# KiCad board Leftcopy.kicad_pcb
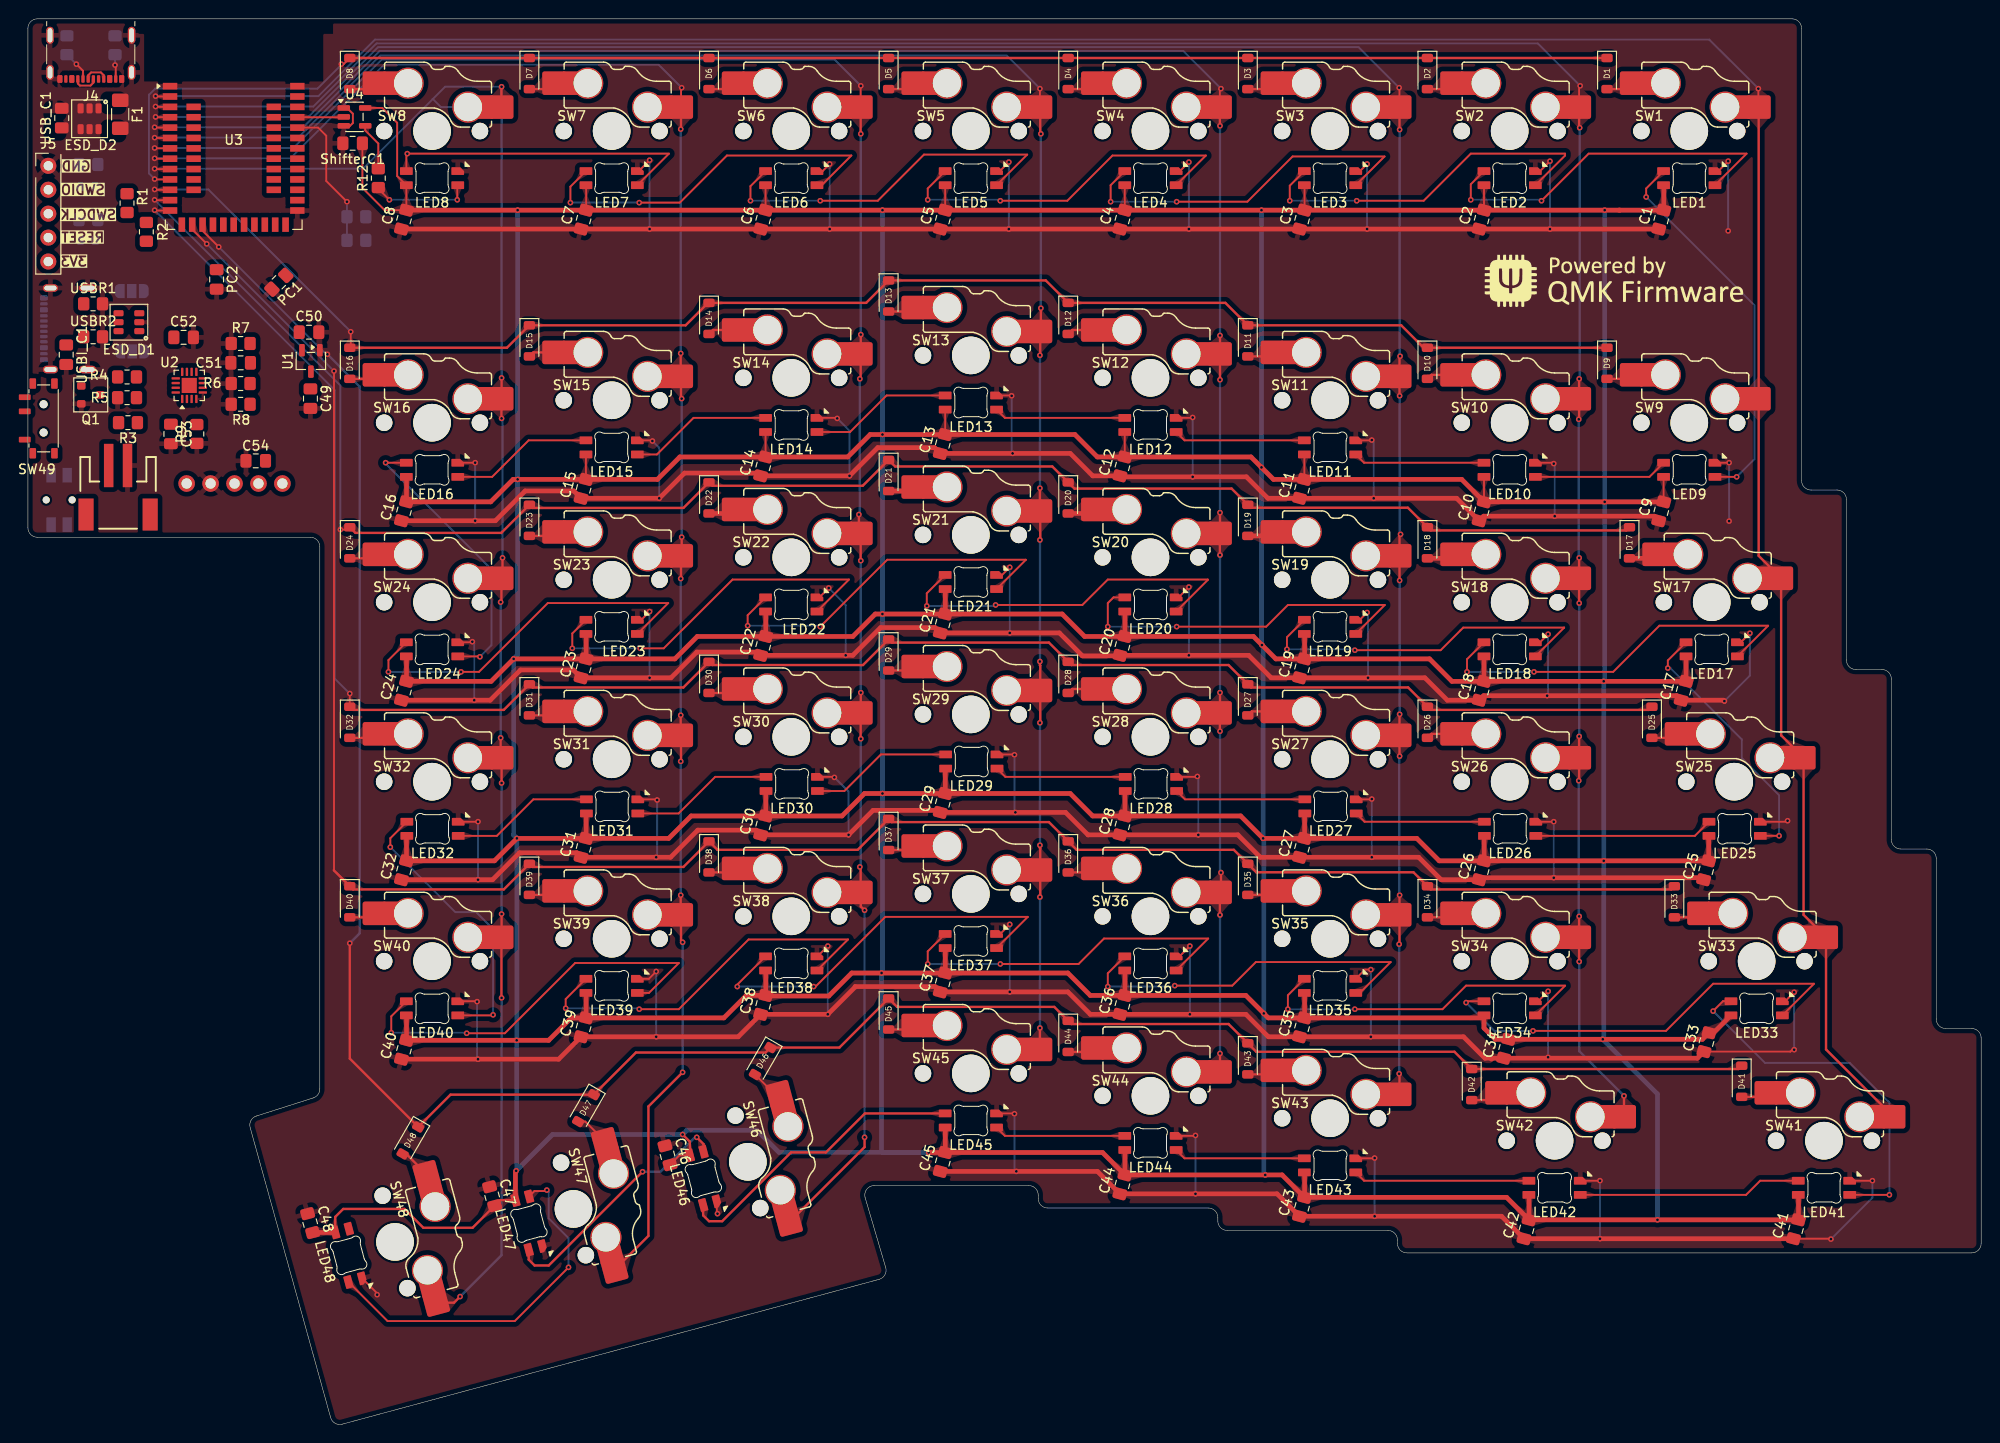
[diagram p0: board, top side]
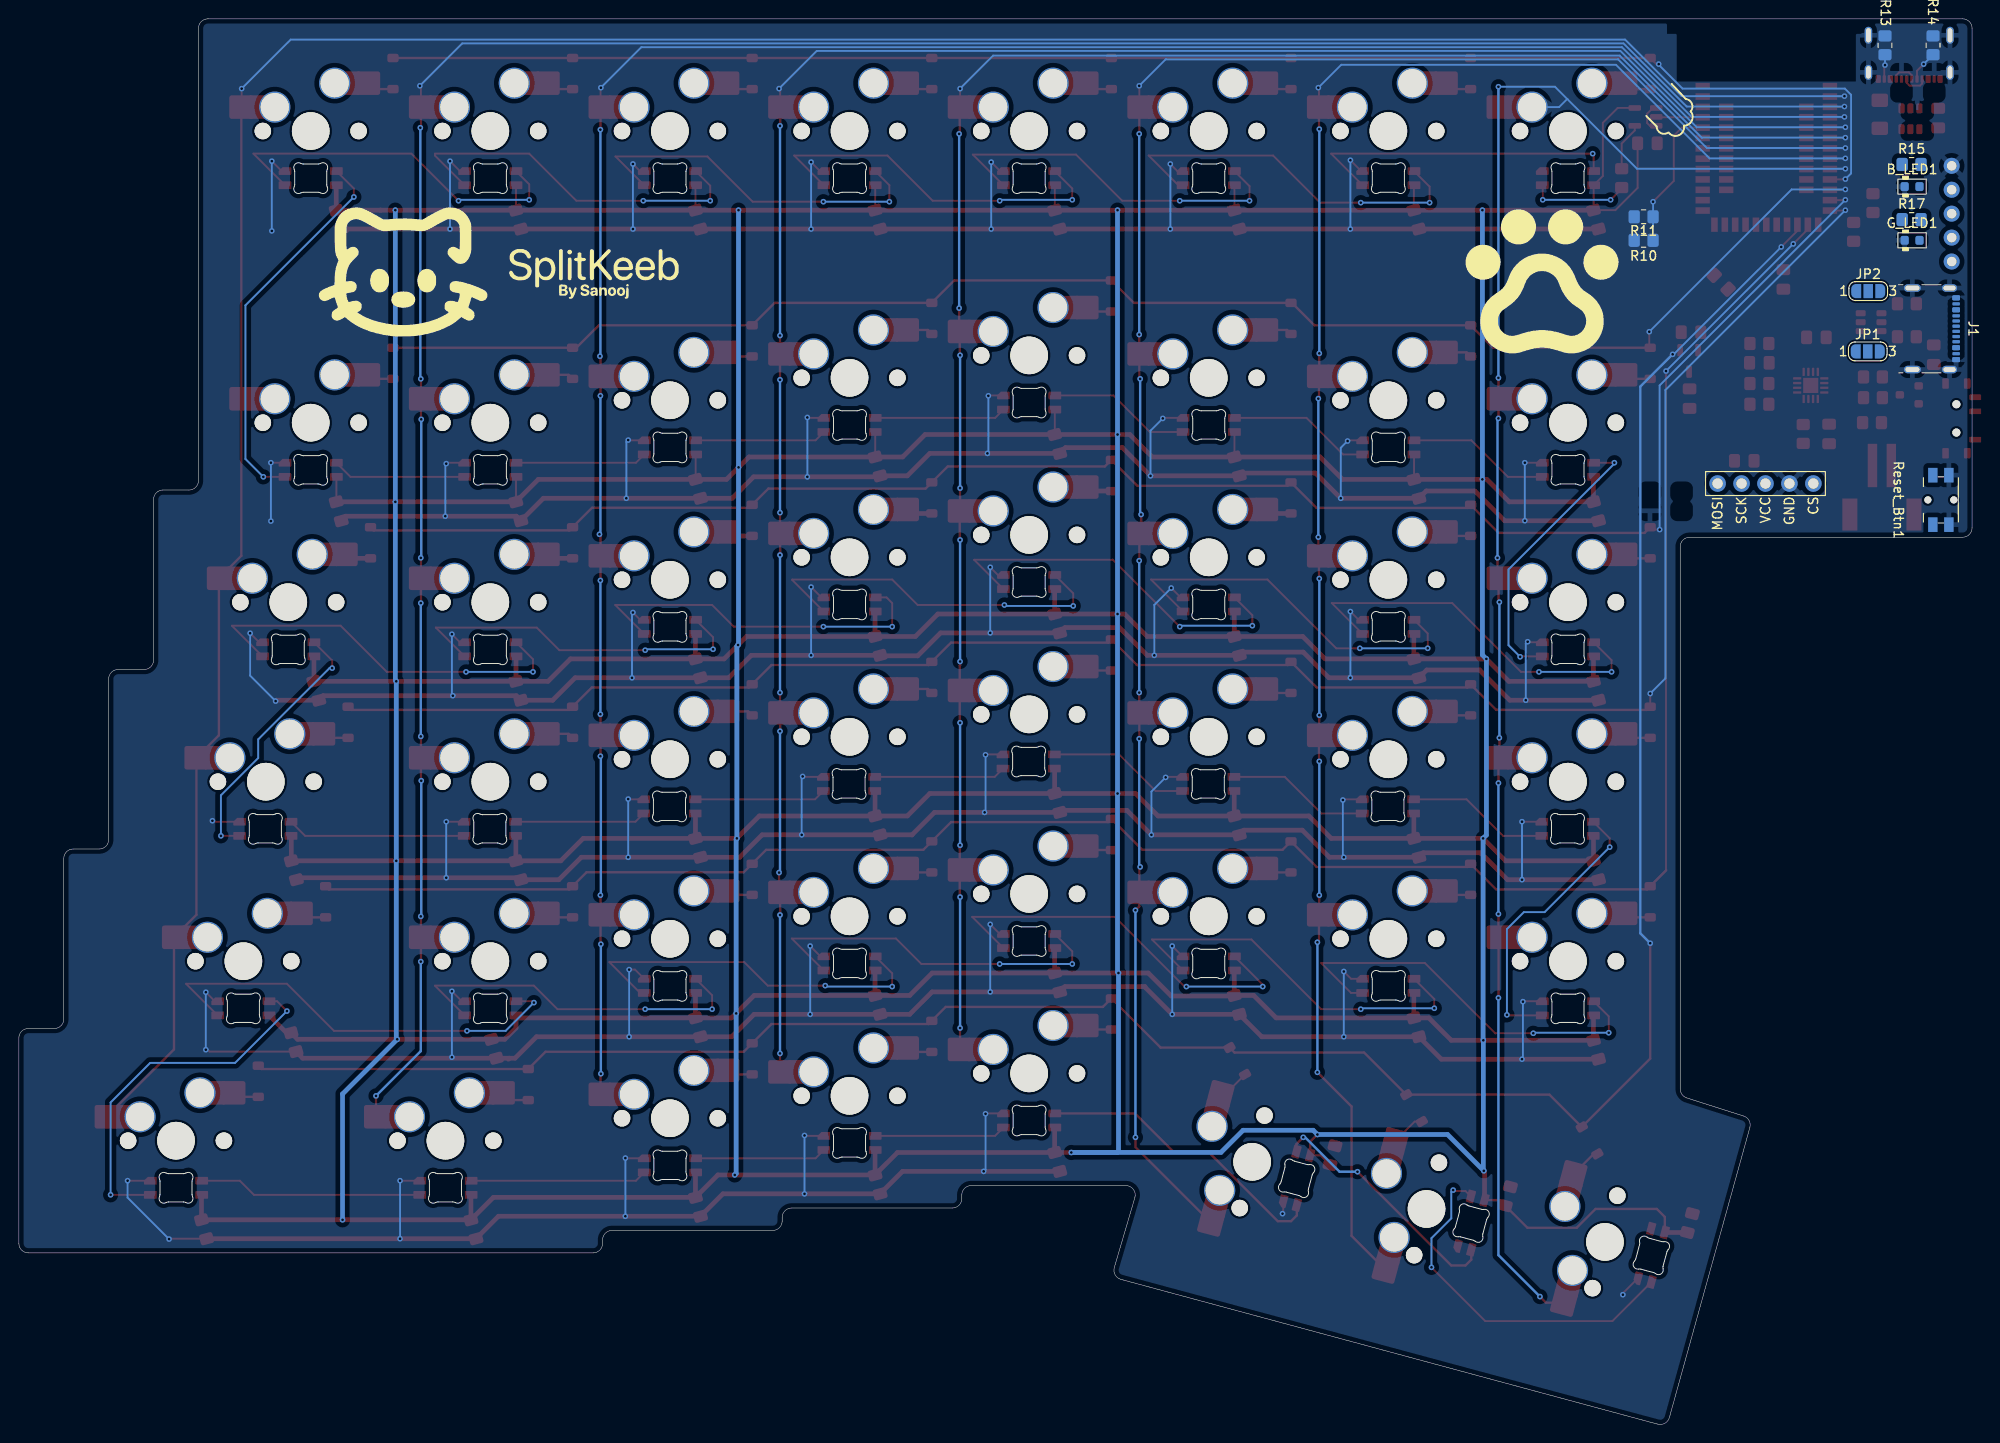
[diagram p1: board, bottom side, seen from below]

Outline 207.17 x 149.15 mm; copper layers: Top, Bottom. Coordinates in mm from the lower left corner of the outline.
Outline path: 0,148.16 arc(0.3,148.86) 1,149.15 187.12,149.15 arc(187.83,148.85) 188.12,148.15 188.12,100.14 arc(188.42,99.43) 189.13,99.14 191.89,99.14 arc(192.59,98.84) 192.88,98.14 192.88,81.09 arc(193.17,80.38) 193.88,80.09 196.64,80.09 arc(197.35,79.8) 197.64,79.09 197.64,62.04 arc(197.94,61.33) 198.64,61.04 201.41,61.04 arc(202.11,60.75) 202.41,60.04 202.41,42.99 arc(202.7,42.28) 203.42,41.99 206.18,41.99 arc(206.88,41.69) 207.17,40.99 207.17,19.17 arc(206.87,18.47) 206.17,18.18 146.25,18.18 arc(145.55,18.48) 145.26,19.18 145.26,19.56 arc(144.96,20.27) 144.26,20.56 127.21,20.56 arc(126.5,20.85) 126.21,21.56 126.21,21.94 arc(125.91,22.65) 125.2,22.94 108.15,22.94 arc(107.45,23.24) 107.16,23.94 107.16,24.32 arc(106.86,25.03) 106.16,25.32 89.76,25.32 arc(88.96,24.92) 88.8,24.04 90.99,16.59 arc(90.89,15.83) 90.28,15.37 33.33,0 arc(32.58,0.1) 32.11,0.7 23.57,31.49 arc(23.65,32.23) 24.23,32.7 30.26,34.63 arc(30.77,34.99) 30.96,35.58 30.96,93.13 arc(30.66,93.84) 29.96,94.13 1,94.13 arc(0.29,94.42) 0,95.13 0,148.16

## Placement (name value [footprint] x y rotation side)
B_LED1  LED_0603_Blue  [LED_0603_1608Metric]  6.36 131.34 180 bottom
C1  0.1uF  [C_0805_2012Metric_Pad1.18x1.45mm_HandSolder]  173.24 127.84 75 top
C2  0.1uF  [C_0805_2012Metric_Pad1.18x1.45mm_HandSolder]  154.19 127.84 75 top
C3  0.1uF  [C_0805_2012Metric_Pad1.18x1.45mm_HandSolder]  135.14 127.84 75 top
C4  0.1uF  [C_0805_2012Metric_Pad1.18x1.45mm_HandSolder]  116.09 127.84 75 top
C5  0.1uF  [C_0805_2012Metric_Pad1.18x1.45mm_HandSolder]  97.04 127.84 75 top
C6  0.1uF  [C_0805_2012Metric_Pad1.18x1.45mm_HandSolder]  77.99 127.84 75 top
C7  0.1uF  [C_0805_2012Metric_Pad1.18x1.45mm_HandSolder]  58.94 127.84 75 top
C8  0.1uF  [C_0805_2012Metric_Pad1.18x1.45mm_HandSolder]  39.89 127.84 75 top
C9  0.1uF  [C_0805_2012Metric_Pad1.18x1.45mm_HandSolder]  173.24 96.88 75 top
C10  0.1uF  [C_0805_2012Metric_Pad1.18x1.45mm_HandSolder]  154.19 96.88 75 top
C11  0.1uF  [C_0805_2012Metric_Pad1.18x1.45mm_HandSolder]  135.14 99.27 75 top
C12  0.1uF  [C_0805_2012Metric_Pad1.18x1.45mm_HandSolder]  116.09 101.65 75 top
C13  0.1uF  [C_0805_2012Metric_Pad1.18x1.45mm_HandSolder]  97.04 104.03 75 top
C14  0.1uF  [C_0805_2012Metric_Pad1.18x1.45mm_HandSolder]  77.99 101.65 75 top
C15  0.1uF  [C_0805_2012Metric_Pad1.18x1.45mm_HandSolder]  58.94 99.27 75 top
C16  0.1uF  [C_0805_2012Metric_Pad1.18x1.45mm_HandSolder]  39.89 96.88 75 top
C17  0.1uF  [C_0805_2012Metric_Pad1.18x1.45mm_HandSolder]  175.62 77.83 75 top
C18  0.1uF  [C_0805_2012Metric_Pad1.18x1.45mm_HandSolder]  154.19 77.83 75 top
C19  0.1uF  [C_0805_2012Metric_Pad1.18x1.45mm_HandSolder]  135.14 80.22 75 top
C20  0.1uF  [C_0805_2012Metric_Pad1.18x1.45mm_HandSolder]  116.09 82.6 75 top
C21  0.1uF  [C_0805_2012Metric_Pad1.18x1.45mm_HandSolder]  97.04 84.98 75 top
C22  0.1uF  [C_0805_2012Metric_Pad1.18x1.45mm_HandSolder]  77.99 82.6 75 top
C23  0.1uF  [C_0805_2012Metric_Pad1.18x1.45mm_HandSolder]  58.94 80.22 75 top
C24  0.1uF  [C_0805_2012Metric_Pad1.18x1.45mm_HandSolder]  39.89 77.83 75 top
C25  0.1uF  [C_0805_2012Metric_Pad1.18x1.45mm_HandSolder]  178 58.78 75 top
C26  0.1uF  [C_0805_2012Metric_Pad1.18x1.45mm_HandSolder]  154.19 58.78 75 top
C27  0.1uF  [C_0805_2012Metric_Pad1.18x1.45mm_HandSolder]  135.14 61.17 75 top
C28  0.1uF  [C_0805_2012Metric_Pad1.18x1.45mm_HandSolder]  116.09 63.55 75 top
C29  0.1uF  [C_0805_2012Metric_Pad1.18x1.45mm_HandSolder]  97.04 65.93 75 top
C30  0.1uF  [C_0805_2012Metric_Pad1.18x1.45mm_HandSolder]  77.99 63.55 75 top
C31  0.1uF  [C_0805_2012Metric_Pad1.18x1.45mm_HandSolder]  58.94 61.17 75 top
C32  0.1uF  [C_0805_2012Metric_Pad1.18x1.45mm_HandSolder]  39.89 58.78 75 top
C33  0.1uF  [C_0805_2012Metric_Pad1.18x1.45mm_HandSolder]  178.04 40.54 75 top
C34  0.1uF  [C_0805_2012Metric_Pad1.18x1.45mm_HandSolder]  156.79 39.84 75 top
C35  0.1uF  [C_0805_2012Metric_Pad1.18x1.45mm_HandSolder]  135.14 42.12 75 top
C36  0.1uF  [C_0805_2012Metric_Pad1.18x1.45mm_HandSolder]  116.09 44.5 75 top
C37  0.1uF  [C_0805_2012Metric_Pad1.18x1.45mm_HandSolder]  97.04 46.88 75 top
C38  0.1uF  [C_0805_2012Metric_Pad1.18x1.45mm_HandSolder]  77.99 44.5 75 top
C39  0.1uF  [C_0805_2012Metric_Pad1.18x1.45mm_HandSolder]  58.94 42.12 75 top
C40  0.1uF  [C_0805_2012Metric_Pad1.18x1.45mm_HandSolder]  39.89 39.73 75 top
C41  0.1uF  [C_0805_2012Metric_Pad1.18x1.45mm_HandSolder]  187.52 20.68 75 top
C42  0.1uF  [C_0805_2012Metric_Pad1.18x1.45mm_HandSolder]  158.95 20.68 75 top
C43  0.1uF  [C_0805_2012Metric_Pad1.18x1.45mm_HandSolder]  135.14 23.07 75 top
C44  0.1uF  [C_0805_2012Metric_Pad1.18x1.45mm_HandSolder]  116.09 25.45 75 top
C45  0.1uF  [C_0805_2012Metric_Pad1.18x1.45mm_HandSolder]  97.04 27.83 75 top
C46  0.1uF  [C_0805_2012Metric_Pad1.18x1.45mm_HandSolder]  67.84 28.54 285 top
C47  0.1uF  [C_0805_2012Metric_Pad1.18x1.45mm_HandSolder]  49.24 24.19 285 top
C48  0.1uF  [C_0805_2012Metric_Pad1.18x1.45mm_HandSolder]  29.94 21.34 285 top
C49  1u  [C_0805_2012Metric_Pad1.18x1.45mm_HandSolder]  29.96 108.84 270 top
C50  1u  [C_0805_2012Metric_Pad1.18x1.45mm_HandSolder]  29.81 115.89 0 top
C51  4.7uF  [C_0805_2012Metric_Pad1.18x1.45mm_HandSolder]  22.56 112.64 180 top
C52  4.7uF  [C_0805_2012Metric_Pad1.18x1.45mm_HandSolder]  16.51 115.34 0 top
C53  4.7uF  [C_0805_2012Metric_Pad1.18x1.45mm_HandSolder]  15.16 105.09 270 top
C54  0.1u  [C_0805_2012Metric_Pad1.18x1.45mm_HandSolder]  24.16 102.24 180 top
D1  D  [D_SOD-123]  167.49 143.34 270 top
D2  D  [D_SOD-123]  148.44 143.34 270 top
D3  D  [D_SOD-123]  129.39 143.34 270 top
D4  D  [D_SOD-123]  110.34 143.34 270 top
D5  D  [D_SOD-123]  91.29 143.34 270 top
D6  D  [D_SOD-123]  72.24 143.34 270 top
D7  D  [D_SOD-123]  53.19 143.34 270 top
D8  D  [D_SOD-123]  34.14 143.34 270 top
D9  D  [D_SOD-123]  167.49 112.59 270 top
D10  D  [D_SOD-123]  148.44 112.59 270 top
D11  D  [D_SOD-123]  129.39 114.97 270 top
D12  D  [D_SOD-123]  110.34 117.35 270 top
D13  D  [D_SOD-123]  91.29 119.73 270 top
D14  D  [D_SOD-123]  72.24 117.35 270 top
D15  D  [D_SOD-123]  53.19 114.97 270 top
D16  D  [D_SOD-123]  34.14 112.59 270 top
D17  D  [D_SOD-123]  169.87 93.54 270 top
D18  D  [D_SOD-123]  148.44 93.54 270 top
D19  D  [D_SOD-123]  129.39 95.92 270 top
D20  D  [D_SOD-123]  110.34 98.3 270 top
D21  D  [D_SOD-123]  91.29 100.68 270 top
D22  D  [D_SOD-123]  72.24 98.3 270 top
D23  D  [D_SOD-123]  53.19 95.92 270 top
D24  D  [D_SOD-123]  34.14 93.54 270 top
D25  D  [D_SOD-123]  172.25 74.49 270 top
D26  D  [D_SOD-123]  148.44 74.49 270 top
D27  D  [D_SOD-123]  129.39 76.87 270 top
D28  D  [D_SOD-123]  110.34 79.25 270 top
D29  D  [D_SOD-123]  91.29 81.63 270 top
D30  D  [D_SOD-123]  72.24 79.25 270 top
D31  D  [D_SOD-123]  53.19 76.87 270 top
D32  D  [D_SOD-123]  34.14 74.49 270 top
D33  D  [D_SOD-123]  174.63 55.44 270 top
D34  D  [D_SOD-123]  148.44 55.44 270 top
D35  D  [D_SOD-123]  129.39 57.82 270 top
D36  D  [D_SOD-123]  110.34 60.2 270 top
D37  D  [D_SOD-123]  91.29 62.58 270 top
D38  D  [D_SOD-123]  72.24 60.2 270 top
D39  D  [D_SOD-123]  53.19 57.82 270 top
D40  D  [D_SOD-123]  34.14 55.44 270 top
D41  D  [D_SOD-123]  181.77 36.39 270 top
D42  D  [D_SOD-123]  153.14 36.04 270 top
D43  D  [D_SOD-123]  129.39 38.77 270 top
D44  D  [D_SOD-123]  110.34 41.15 270 top
D45  D  [D_SOD-123]  91.29 43.53 270 top
D46  D  [D_SOD-123]  77.94 38.54 240 top
D47  D  [D_SOD-123]  59.19 33.54 240 top
D48  D  [D_SOD-123]  40.57 30.11 240 top
ESD_D1  USBLC6-2SC6  [SOT-23-6]  10.71 116.95 180 top
ESD_D2  USBLC6-2SC6  [SOT-23-6#2]  6.54 138.54 270 top
F1  750mA  [Fuse_1206_3216Metric_Pad1.42x1.75mm_HandSolder]  9.79 139.02 270 top
G***  -  [LOGO]  168.27 121.37 0 top
G***#2  -  [LOGO]  166.41 122.69 180 bottom
G***#3  -  [LOGO]  146.21 122.59 180 bottom
G***#4  -  [LOGO]  45.61 121.44 180 bottom
G_LED1  LED_0603_Green  [LED_0603_1608Metric]  6.36 125.64 180 bottom
J1  USB_C_Receptacle_USB2.0_16P  [USB_C_Receptacle_HRO_TYPE-C-31-M-23]  4.11 116.25 270 bottom
J3  JST_2mm_LiPo  [JST_1x02_P2.0mm_Horizontal_SMD]  9.56 98.04 180 top
J4  USB_C_Receptacle_USB2.0_16P  [USB_C_Receptacle_HRO_TYPE-C-31-M-23]  6.67 145.19 180 top
J5  DEV_HEADERS  [PinHeader_01x05_P2.54mm_Vertical_THT_D1mm]  2.16 133.55 0 top
JP1  SolderJumper  [SolderJumper-3_P1.3mm_Open_RoundedPad1.0x1.5mm_NumberLabels]  11.06 113.85 180 bottom
JP2  SolderJumper  [SolderJumper-3_P1.3mm_Open_RoundedPad1.0x1.5mm_NumberLabels]  11.01 120.25 180 bottom
LED1  MX_SK6812MINI-E  [LED_MX_6028R-ROT]  176.21 132.24 0 top
LED2  MX_SK6812MINI-E  [LED_MX_6028R-ROT]  157.16 132.24 0 top
LED3  MX_SK6812MINI-E  [LED_MX_6028R-ROT]  138.11 132.24 0 top
LED4  MX_SK6812MINI-E  [LED_MX_6028R-ROT]  119.06 132.24 0 top
LED5  MX_SK6812MINI-E  [LED_MX_6028R-ROT]  100.01 132.24 0 top
LED6  MX_SK6812MINI-E  [LED_MX_6028R-ROT]  80.96 132.24 0 top
LED7  MX_SK6812MINI-E  [LED_MX_6028R-ROT]  61.91 132.24 0 top
LED8  MX_SK6812MINI-E  [LED_MX_6028R-ROT]  42.86 132.24 0 top
LED9  MX_SK6812MINI-E  [LED_MX_6028R-ROT]  176.21 101.28 0 top
LED10  MX_SK6812MINI-E  [LED_MX_6028R-ROT]  157.16 101.28 0 top
LED11  MX_SK6812MINI-E  [LED_MX_6028R-ROT]  138.11 103.67 0 top
LED12  MX_SK6812MINI-E  [LED_MX_6028R-ROT]  119.06 106.05 0 top
LED13  MX_SK6812MINI-E  [LED_MX_6028R-ROT]  100.01 108.43 0 top
LED14  MX_SK6812MINI-E  [LED_MX_6028R-ROT]  80.96 106.05 0 top
LED15  MX_SK6812MINI-E  [LED_MX_6028R-ROT]  61.91 103.67 0 top
LED16  MX_SK6812MINI-E  [LED_MX_6028R-ROT]  42.86 101.28 0 top
LED17  MX_SK6812MINI-E  [LED_MX_6028R-ROT]  178.59 82.23 0 top
LED18  MX_SK6812MINI-E  [LED_MX_6028R-ROT]  157.16 82.23 0 top
LED19  MX_SK6812MINI-E  [LED_MX_6028R-ROT]  138.11 84.62 0 top
LED20  MX_SK6812MINI-E  [LED_MX_6028R-ROT]  119.06 87 0 top
LED21  MX_SK6812MINI-E  [LED_MX_6028R-ROT]  100.01 89.38 0 top
LED22  MX_SK6812MINI-E  [LED_MX_6028R-ROT]  80.96 87 0 top
LED23  MX_SK6812MINI-E  [LED_MX_6028R-ROT]  61.91 84.62 0 top
LED24  MX_SK6812MINI-E  [LED_MX_6028R-ROT]  42.86 82.23 0 top
LED25  MX_SK6812MINI-E  [LED_MX_6028R-ROT]  181.02 63.18 0 top
LED26  MX_SK6812MINI-E  [LED_MX_6028R-ROT]  157.21 63.18 0 top
LED27  MX_SK6812MINI-E  [LED_MX_6028R-ROT]  138.16 65.57 0 top
LED28  MX_SK6812MINI-E  [LED_MX_6028R-ROT]  119.11 67.95 0 top
LED29  MX_SK6812MINI-E  [LED_MX_6028R-ROT]  100.06 70.33 0 top
LED30  MX_SK6812MINI-E  [LED_MX_6028R-ROT]  81.01 67.95 0 top
LED31  MX_SK6812MINI-E  [LED_MX_6028R-ROT]  61.96 65.57 0 top
LED32  MX_SK6812MINI-E  [LED_MX_6028R-ROT]  42.91 63.18 0 top
LED33  MX_SK6812MINI-E  [LED_MX_6028R-ROT]  183.36 44.13 0 top
LED34  MX_SK6812MINI-E  [LED_MX_6028R-ROT]  157.16 44.13 0 top
LED35  MX_SK6812MINI-E  [LED_MX_6028R-ROT]  138.11 46.52 0 top
LED36  MX_SK6812MINI-E  [LED_MX_6028R-ROT]  119.06 48.9 0 top
LED37  MX_SK6812MINI-E  [LED_MX_6028R-ROT]  100.01 51.28 0 top
LED38  MX_SK6812MINI-E  [LED_MX_6028R-ROT]  80.96 48.9 0 top
LED39  MX_SK6812MINI-E  [LED_MX_6028R-ROT]  61.91 46.52 0 top
LED40  MX_SK6812MINI-E  [LED_MX_6028R-ROT]  42.86 44.13 0 top
LED41  MX_SK6812MINI-E  [LED_MX_6028R-ROT]  190.5 25.08 0 top
LED42  MX_SK6812MINI-E  [LED_MX_6028R-ROT]  161.93 25.08 0 top
LED43  MX_SK6812MINI-E  [LED_MX_6028R-ROT]  138.11 27.47 0 top
LED44  MX_SK6812MINI-E  [LED_MX_6028R-ROT]  119.06 29.85 0 top
LED45  MX_SK6812MINI-E  [LED_MX_6028R-ROT]  100.01 32.23 0 top
LED46  MX_SK6812MINI-E  [LED_MX_6028R-ROT#2]  71.64 26.09 285 top
LED47  MX_SK6812MINI-E  [LED_MX_6028R-ROT]  53.14 21.34 285 top
LED48  MX_SK6812MINI-E  [LED_MX_6028R-ROT#2]  34.02 17.91 285 top
OLED1  nice!view  [nice_view]  21.91 116.34 180 bottom
PC1  0.1u  [C_0805_2012Metric_Pad1.18x1.45mm_HandSolder]  26.61 121.19 225 top
PC2  0.1u  [C_0805_2012Metric_Pad1.18x1.45mm_HandSolder]  20.01 121.49 270 top
Q1  2N7002  [SOT-23]  6.66 109.24 0 top
R1  10k  [R_0805_2012Metric_Pad1.20x1.40mm_HandSolder]  10.51 129.59 270 top
R2  10k  [R_0805_2012Metric_Pad1.20x1.40mm_HandSolder]  12.56 126.54 270 top
R3  100k  [R_0805_2012Metric_Pad1.20x1.40mm_HandSolder]  10.61 106.29 180 top
R4  100R  [R_0805_2012Metric_Pad1.20x1.40mm_HandSolder]  10.51 111.14 180 top
R5  10k  [R_0805_2012Metric_Pad1.20x1.40mm_HandSolder]  10.51 108.94 0 top
R6  47k  [R_0805_2012Metric_Pad1.20x1.40mm_HandSolder]  22.56 110.44 0 top
R7  1.5k  [R_0805_2012Metric_Pad1.20x1.40mm_HandSolder]  22.56 114.69 0 top
R8  3.9k  [R_0805_2012Metric_Pad1.20x1.40mm_HandSolder]  22.56 108.24 0 top
R9  10k  [R_0805_2012Metric_Pad1.20x1.40mm_HandSolder]  17.91 105.09 90 top
R10  806/820k  [R_0805_2012Metric_Pad1.20x1.40mm_HandSolder]  34.84 125.64 180 bottom
R11  2M  [R_0805_2012Metric_Pad1.20x1.40mm_HandSolder]  34.84 128.14 0 bottom
R12  470  [R_0805_2012Metric_Pad1.20x1.40mm_HandSolder]  37.16 132.24 90 top
R13  5.1k  [R_0805_2012Metric_Pad1.20x1.40mm_HandSolder]  9.24 146.34 90 bottom
R14  5.1k  [R_0805_2012Metric_Pad1.20x1.40mm_HandSolder]  4.14 146.34 90 bottom
R15  1k  [R_0805_2012Metric_Pad1.20x1.40mm_HandSolder]  6.41 133.69 180 bottom
R17  1k  [R_0805_2012Metric_Pad1.20x1.40mm_HandSolder]  6.41 127.84 180 bottom
Reset_Btn1  SW_Push  [Panasonic_EVQPUL_EVQPUC]  3.31 98.09 90 bottom
ShifterC1  0.1uF  [C_0805_2012Metric_Pad1.18x1.45mm_HandSolder]  34.44 135.94 180 top
SW1  SW_Push  [SW_MX_HS_KS-2P02B01-01_1u]  176.21 137.24 0 top
SW2  SW_Push  [SW_MX_HS_KS-2P02B01-01_1u]  157.16 137.24 0 top
SW3  SW_Push  [SW_MX_HS_KS-2P02B01-01_1u]  138.11 137.24 0 top
SW4  SW_Push  [SW_MX_HS_KS-2P02B01-01_1u]  119.06 137.24 0 top
SW5  SW_Push  [SW_MX_HS_KS-2P02B01-01_1u]  100.01 137.24 0 top
SW6  SW_Push  [SW_MX_HS_KS-2P02B01-01_1u]  80.96 137.24 0 top
SW7  SW_Push  [SW_MX_HS_KS-2P02B01-01_1u]  61.91 137.24 0 top
SW8  SW_Push  [SW_MX_HS_KS-2P02B01-01_1u]  42.86 137.24 0 top
SW9  SW_Push  [SW_MX_HS_KS-2P02B01-01_1u]  176.21 106.28 0 top
SW10  SW_Push  [SW_MX_HS_KS-2P02B01-01_1u]  157.16 106.28 0 top
SW11  SW_Push  [SW_MX_HS_KS-2P02B01-01_1u]  138.11 108.67 0 top
SW12  SW_Push  [SW_MX_HS_KS-2P02B01-01_1u]  119.06 111.05 0 top
SW13  SW_Push  [SW_MX_HS_KS-2P02B01-01_1u]  100.01 113.43 0 top
SW14  SW_Push  [SW_MX_HS_KS-2P02B01-01_1u]  80.96 111.05 0 top
SW15  SW_Push  [SW_MX_HS_KS-2P02B01-01_1u]  61.91 108.67 0 top
SW16  SW_Push  [SW_MX_HS_KS-2P02B01-01_1u]  42.86 106.28 0 top
SW17  SW_Push  [SW_MX_HS_KS-2P02B01-01_1.25u]  178.59 87.23 0 top
SW18  SW_Push  [SW_MX_HS_KS-2P02B01-01_1u]  157.16 87.23 0 top
SW19  SW_Push  [SW_MX_HS_KS-2P02B01-01_1u]  138.11 89.62 0 top
SW20  SW_Push  [SW_MX_HS_KS-2P02B01-01_1u]  119.06 92 0 top
SW21  SW_Push  [SW_MX_HS_KS-2P02B01-01_1u]  100.01 94.38 0 top
SW22  SW_Push  [SW_MX_HS_KS-2P02B01-01_1u]  80.96 92 0 top
SW23  SW_Push  [SW_MX_HS_KS-2P02B01-01_1u]  61.91 89.62 0 top
SW24  SW_Push  [SW_MX_HS_KS-2P02B01-01_1u]  42.86 87.23 0 top
SW25  SW_Push  [SW_MX_HS_KS-2P02B01-01_1.5u]  180.98 68.18 0 top
SW26  SW_Push  [SW_MX_HS_KS-2P02B01-01_1u]  157.16 68.18 0 top
SW27  SW_Push  [SW_MX_HS_KS-2P02B01-01_1u]  138.11 70.57 0 top
SW28  SW_Push  [SW_MX_HS_KS-2P02B01-01_1u]  119.06 72.95 0 top
SW29  SW_Push  [SW_MX_HS_KS-2P02B01-01_1u]  100.01 75.33 0 top
SW30  SW_Push  [SW_MX_HS_KS-2P02B01-01_1u]  80.96 72.95 0 top
SW31  SW_Push  [SW_MX_HS_KS-2P02B01-01_1u]  61.91 70.57 0 top
SW32  SW_Push  [SW_MX_HS_KS-2P02B01-01_1u]  42.86 68.18 0 top
SW33  SW_Push  [SW_MX_HS_KS-2P02B01-01_1.75u]  183.36 49.13 0 top
SW34  SW_Push  [SW_MX_HS_KS-2P02B01-01_1u]  157.16 49.13 0 top
SW35  SW_Push  [SW_MX_HS_KS-2P02B01-01_1u]  138.11 51.52 0 top
SW36  SW_Push  [SW_MX_HS_KS-2P02B01-01_1u]  119.06 53.9 0 top
SW37  SW_Push  [SW_MX_HS_KS-2P02B01-01_1u]  100.01 56.28 0 top
SW38  SW_Push  [SW_MX_HS_KS-2P02B01-01_1u]  80.96 53.9 0 top
SW39  SW_Push  [SW_MX_HS_KS-2P02B01-01_1u]  61.91 51.52 0 top
SW40  SW_Push  [SW_MX_HS_KS-2P02B01-01_1u]  42.86 49.13 0 top
SW41  SW_Push  [SW_MX_HS_KS-2P02B01-01_1.5u]  190.5 30.08 0 top
SW42  SW_Push  [SW_MX_HS_KS-2P02B01-01_1.5u]  161.93 30.08 0 top
SW43  SW_Push  [SW_MX_HS_KS-2P02B01-01_1u]  138.11 32.47 0 top
SW44  SW_Push  [SW_MX_HS_KS-2P02B01-01_1u]  119.06 34.85 0 top
SW45  SW_Push  [SW_MX_HS_KS-2P02B01-01_1u]  100.01 37.23 0 top
SW46  SW_Push  [SW_MX_HS_KS-2P02B01-01_1.25u]  76.36 27.84 285 top
SW47  SW_Push  [SW_MX_HS_KS-2P02B01-01_1.5u]  57.86 22.84 285 top
SW48  SW_Push  [SW_MX_HS_KS-2P02B01-01_1.75u]  38.94 19.34 285 top
SW49  SW_PWR  [SW_MSK12C02-HB]  1.66 106.74 270 top
U1  XC6206PxxxMR  [SOT-23-3]  30.01 112.84 270 top
U2  BQ24075RGT  [VQFN-16-1EP_3x3mm_P0.5mm_EP1.6x1.6mm]  17.11 110.24 90 top
U3  -  [nRF52840_holyiot_18010]  21.82 136.3 0 top
U4  SN74LV1T125DBV  [SOT-23-5]  34.64 138.74 0 top
USB_C1  0.1uF  [C_0805_2012Metric_Pad1.18x1.45mm_HandSolder]  3.59 138.62 90 top
USBI_C1  0.1uF  [C_0805_2012Metric_Pad1.18x1.45mm_HandSolder]  4.06 113.5 270 top
USBR1  5.1k  [R_0805_2012Metric_Pad1.20x1.40mm_HandSolder]  6.91 118.9 0 top
USBR2  5.1k  [R_0805_2012Metric_Pad1.20x1.40mm_HandSolder]  6.91 115.4 0 top
